# Altium PCB LimeSDR-Micro_mPCIe_1v3.PcbDoc (part 5 of 9) (continued)
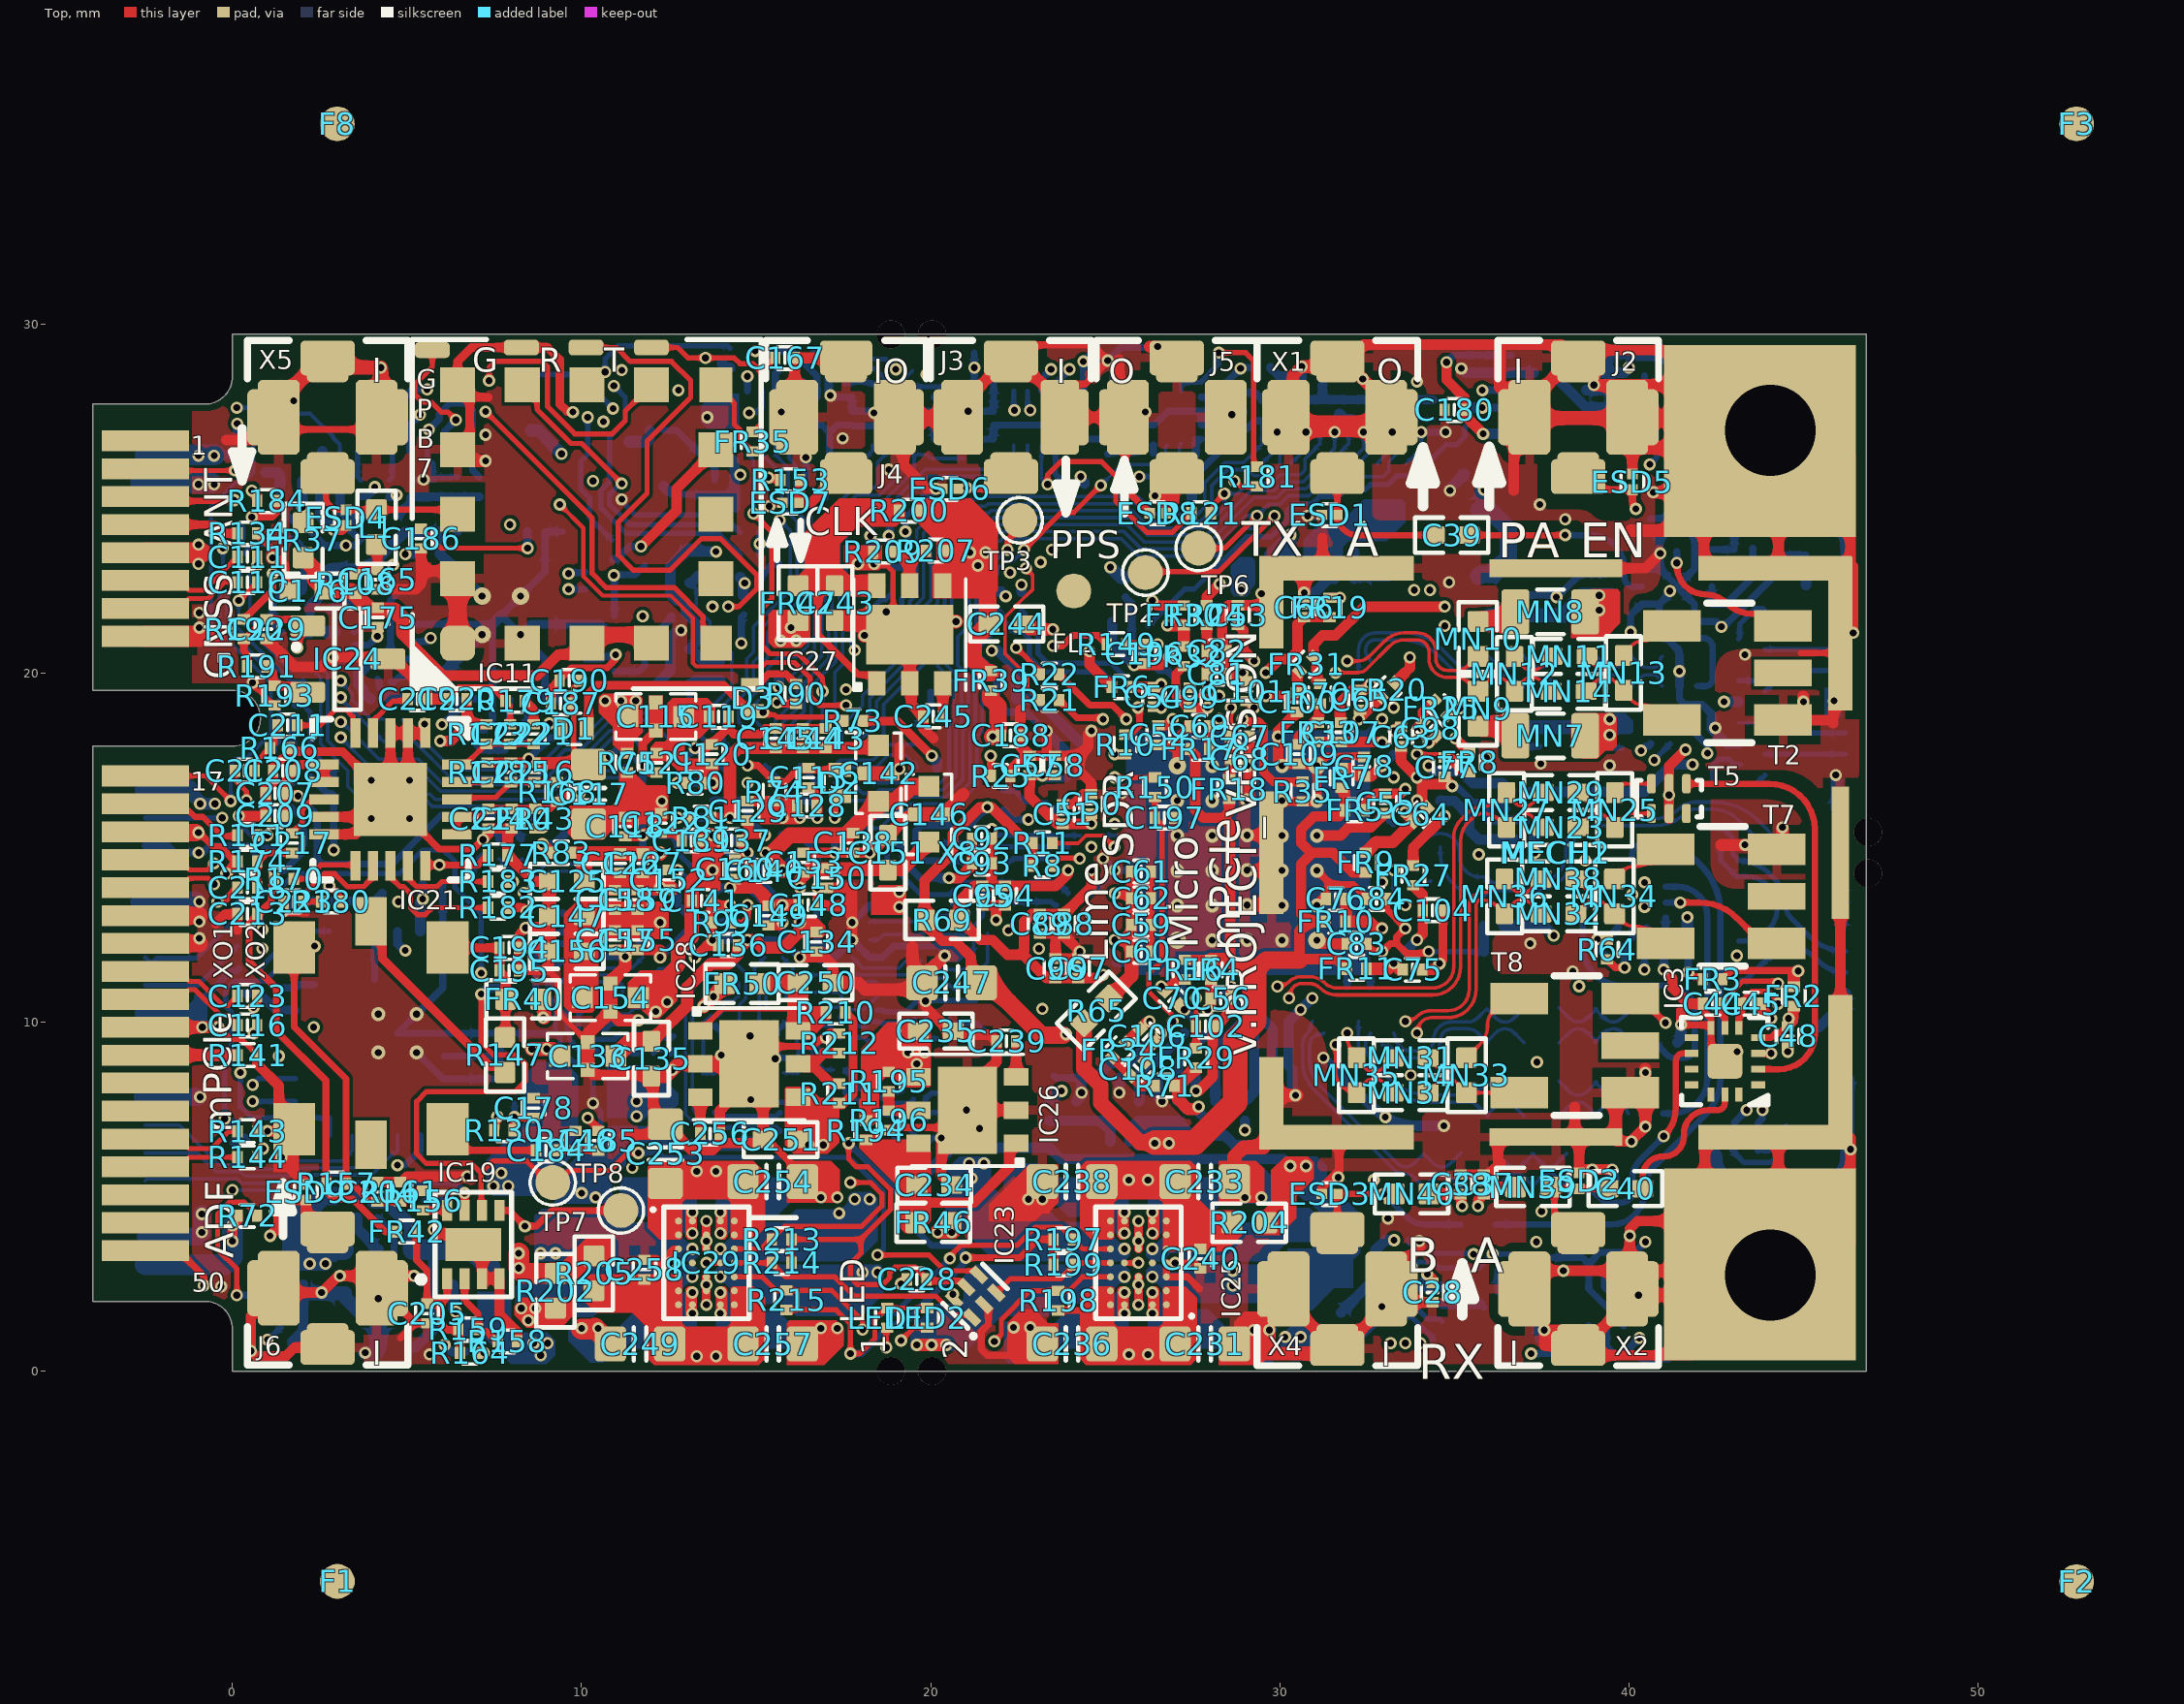
[diagram p0: Top view]
## Nets (pads, with @x,y where several pads share a name; then routed paths per layer and width w, separated by ;. In a path a pad name is that pad's centre, name@x,y a point inside that pad or via, vN(x,y) a via of type N, cw(c..) or ccw(c..) an arc to the next point about the centre after c; other vN are vias at no path point) (continued)
LA_RX1_Q_P: IC6.B12 R58.1 | length 4
  Bottom w0.1: IC6.B12@16.751,11.85 17.051,11.55 ; 17.051,11.549 17.55,11.05 18.075,11.05 18.175,11.15 18.425,11.15 18.5,11.075 18.5,10.76 18.09,10.35 17.55,10.35 17.41,10.21 R58.1@17.41,10
LA_SPI_ADF_SS: IC12.12 R183.2 | length 32.3
  Top w0.2: R183.2@7.875,14.03 R183.2@7.88,14.025
  L6 w0.1: v1@8.03,14.025 8.658,14.025 9.425,14.792 9.425,15.783 9,16.208 9,16.942 9.475,17.417 9.475,18.175 10.175,18.875 10.175,19.25 10.45,19.525 11.2,19.525 11.675,20 11.675,20.675 11.025,21.325 11.025,22.008 11.525,22.508 11.525,23.008 11.175,23.358 11.175,23.9 10.3,24.775 10.025,24.775 9.6,25.2 9.6,25.941 9.755,26.095 9.755,26.47 9.175,27.05 9.175,27.7 10.475,29 13,29 14.025,27.975 15.042,27.975 15.442,28.375 15.825,28.375 16.25,28.8 17.817,28.8 18.667,27.95 20.15,27.95 v2@20.525,28.325
  Bottom w0.15: IC12.12@19.55,28.2 20.45,28.2 v2(20.525,28.275)
  other v1: 8.03,14.025
LA_SPI_ADF_SS_LS: IC6.P11 IC12.1 R110.2 | length 11.9
  Bottom w0.1: IC6.P11@16.251,17.85 15.951,18.15 15.951,18.474 16.375,18.898 16.375,19.709 17.075,20.409 17.075,21.576 17.175,21.676 17.175,24.117 17.958,24.9 18.633,24.9 19.525,25.792 19.525,26.25 19.9,26.25 20.005,26.145 R110.2@20.95,26.145
LA_SPI_LMS_SS: IC12.9 R23.2 | length 20.8
  L6 w0.1: v2(17.55,28.275) 16.825,28.275 16.475,27.925 15.715,27.925 15.4,27.61 15.4,27.4 15.125,27.125 14.35,27.125 13.125,25.9 13.125,21.783 13.533,21.375 14.417,21.375 14.725,21.683 15.317,22.275 21.333,22.275 21.588,22.53 v1(22.6,22.53)
  Bottom w0.15: v2(17.55,28.275) 17.6,28.325 18.3,28.325 18.325,28.3 IC12.9@18.325,28.262
  Bottom w0.3: R23.2@22.6,22.33 v1(22.6,22.53)
LA_SPI_LMS_SS_LS: IC6.P7 IC12.4 R111.2 | length 12.1
  L6 w0.1: v1(15.675,24.375) 15.675,24.365 16.385,25.075 17.247,25.075 17.725,25.553 v2(17.725,26.175)
  Bottom w0.1: IC6.P7@14.251,17.85 14.075,18.026 14.075,19.091 14.725,19.741 14.725,20.4 14.925,20.6 14.925,21.325 15.975,22.375 15.975,24.075 v1(15.675,24.375) ; v2(17.725,26.175) 18.15,26.175 ; R111.2@18.155,25.625 18.155,26.17 18.15,26.175 ; IC12.4@18.325,26.525 18.325,26.35 18.15,26.175
LA_SPI_MISO: IC8.11 R22.2 | length 32.2
  Top w0.15: v1(22.45,20.725) R22.2@23.095,20.08 ; R22.2@23.12,19.957 R22.2@23.12,20.08
  L3 w0.1: v1(22.45,20.725) 22.45,21.675 23.15,22.375 v1(23.15,23.175)
  L6 w0.1: v2(15.7,28.725) 15.975,29 17.9,29 18.75,28.15 19.94,28.15 20.39,28.6 20.71,28.6 20.85,28.46 20.85,28.075 20.45,27.675 19.7,27.675 19.075,27.05 17.333,27.05 17.125,26.842 17.125,26.6 17.325,26.4 17.325,26 17.425,25.9 17.425,25.535 17.165,25.275 16.8,25.275 16.625,25.45 16,25.45 15.45,26 15.2,26 14.95,25.75 14.95,25.5 14.15,24.7 14.15,23.675 15.15,22.675 19.875,22.675 21.1,23.9 22.825,23.9 23.15,23.575 v1(23.15,23.175)
  Bottom w0.2: IC8.11@15.55,28.075 15.55,28.575 v2(15.7,28.725)
LA_SPI_MISO_LS: IC6.R8 IC8.2 | length 9.4
  Bottom w0.1: IC6.R8@14.751,18.35 14.5,18.601 14.5,18.95 15.125,19.575 15.125,20.234 15.325,20.434 15.325,21.16 16.375,22.21 16.375,24.417 15.925,24.867 15.925,25.875 15.55,26.25 IC8.2@15.55,26.525
LA_SPI_MOSI: IC8.12 R21.2 R182.2 | length 54.2
  Top w0.1: v1(22.725,23) 22.925,22.8 22.925,22.395 22.735,22.205 22.73,22.205 22.125,21.6 22.125,20.55 22.775,19.9 22.775,19.57 22.995,19.35 23.02,19.35 23.12,19.25 R21.2@23.12,19.225
  Top w0.25: R182.2@7.88,13.275 8.325,13.275 v1(8.425,13.175)
  L6 w0.1: v1(8.425,13.175) 8.425,13.258 8.875,13.708 8.875,13.959 9.625,14.709 9.625,15.866 9.2,16.291 9.2,16.859 9.675,17.334 9.675,18.092 10.458,18.875 11.75,18.875 11.9,19.025 11.9,20.733 11.225,21.408 11.225,21.85 11.725,22.35 11.725,23.09 11.375,23.44 11.375,23.983 10.383,24.975 10.108,24.975 9.8,25.283 9.8,25.858 9.955,26.012 9.955,26.575 9.425,27.105 9.425,27.667 9.658,27.9 11.325,27.9 11.85,28.425 13.275,28.425 13.925,27.775 15.125,27.775 15.525,28.175 16.175,28.175 v2(16.35,28.35) 16.6,28.6 17.685,28.6 17.875,28.41 17.875,27.9 17.525,27.55 16.392,27.55 15.767,26.925 14.45,26.925 13.325,25.8 13.325,21.865 13.615,21.575 14.335,21.575 14.525,21.765 15.234,22.475 21.25,22.475 21.975,23.2 22.525,23.2 v1(22.725,23)
  Bottom w0.2: IC8.12@15.95,28.075 15.95,28.3 16,28.35 v2(16.35,28.35)
LA_SPI_MOSI_LS: IC6.R9 IC8.1 R118.2 R128.1 | length 9.8
  Bottom w0.1: IC6.R9@15.251,18.35 14.85,18.751 14.85,19 15.325,19.475 15.325,20.13 15.525,20.33 15.525,20.351 15.629,20.455 R128.1@15.65,20.455 16.155,20.455 16.475,20.775 16.475,21.825 16.575,21.925 16.575,24.845 R118.2@16.475,24.945 ; IC8.1@15.95,26.575 15.95,26.133 16.125,25.958 16.125,25.325 16.475,24.975 R118.2@16.475,24.945 ; R118.2@16.42,25.025 16.42,25 R118.2@16.475,24.945
LA_SPI_SCLK: IC8.10 R20.2 R180.2 | length 46.7
  Top w0.15: v1(2.775,13.9) 3.058,13.617 3.058,13.492 R180.2@3.1,13.45
  L4 w0.1: v1(2.775,13.9) 4.575,15.7 4.575,17.709 4.1,18.184 4.1,18.608 3.9,18.808 3.9,20.217 2.025,22.092 2.025,23.658 1.275,24.408 1.275,25.184 2.541,26.45 8.725,26.45 9.225,25.95 10.117,25.95 10.392,26.225 11.751,26.225 12.476,26.95 14.3,26.95 v1(14.8,27.45)
  L6 w0.1: v1(14.8,27.45) 14.225,27.45 12.925,26.15 12.925,21.7 13.45,21.175 14.5,21.175 14.925,21.6 15.4,22.075 21.416,22.075 21.541,22.2 v1(22.15,22.2)
  Bottom w0.2: v1(14.8,27.45) 14.829,27.479 15.029,27.479 15.15,27.6 IC8.10@15.15,28.075
  Bottom w0.3: R20.2@21.95,22.33 22.02,22.33 v1(22.15,22.2)
LA_SPI_SCLK_LS: IC6.P8 IC8.3 | length 10.1
  Bottom w0.1: IC6.P8@14.751,17.85 14.275,18.326 14.275,19.008 14.925,19.658 14.925,20.317 15.125,20.517 15.125,21.242 16.175,22.292 16.175,24.335 15.725,24.785 15.725,25.7 15.15,26.275 IC8.3@15.15,26.525
LA_TCK: IC6.N10 J1.5 R89.2 | length 34.8
  L6 w0.1: v2(11.375,26.625) 10.85,26.625 10,25.775 10,25.365 10.19,25.175 10.49,25.175 11.015,24.65 11.675,24.65 12.025,24.3 12.025,22.367 11.425,21.767 11.425,21.49 12.1,20.815 12.1,18.942 11.833,18.675 10.541,18.675 9.875,18.009 9.875,17.251 9.4,16.776 9.4,16.374 9.825,15.949 9.825,14.626 9.075,13.876 9.075,13.625 8.75,13.3 8.75,12.392 9.042,12.1 9.509,12.1 10.075,12.666 10.075,13.462 10.825,14.212 10.825,15.732 11.375,16.282 11.375,17.434 11.616,17.675 12.259,17.675 12.959,18.375 13.675,18.375 14.175,17.875 15.226,17.875 v2(15.751,17.35)
  Bottom w0.2: J1.5@12.35,26.95 12.725,26.95 13.82,25.855 R89.2@13.82,25.525
  Bottom w0.3: J1.5@11.85,26.625 11.953,26.728 J1.5@11.953,26.95
  Bottom w0.35: v2(11.375,26.625) J1.5@11.85,26.625
LA_TDI: IC6.M10 J1.2 | length 33.1
  L6 w0.1: v1(9.425,26.275) 9.05,25.9 9.05,24.683 9.233,24.5 10.292,24.5 10.975,23.817 10.975,23.275 11.25,23 11.25,22.665 10.825,22.24 10.825,21.242 11.475,20.592 11.475,20.083 11.117,19.725 10.367,19.725 9.975,19.333 9.975,18.958 9.275,18.258 9.275,17.5 8.8,17.025 8.8,16.125 9.225,15.7 9.225,14.875 8.7,14.35 7.895,14.35 7.705,14.16 7.705,12.46 8.424,11.741 8.741,11.741 8.9,11.9 9.592,11.9 10.275,12.583 10.275,13.379 11.025,14.129 11.025,15.649 11.575,16.199 11.575,16.708 13.042,18.175 13.575,18.175 14.075,17.675 14.926,17.675 v2(15.251,17.35)
  Bottom w0.15: v2(15.251,17.35) IC6.M10@15.751,16.85
  Bottom w0.35: J1.2@8.55,26.95 8.75,26.95 v1(9.425,26.275)
LA_TDO: IC6.N12 J1.1 | length 38.8
  L6 w0.1: v1(10.9,27.575) 12.525,25.95 12.525,21.683 12.3,21.458 12.3,18.859 11.916,18.475 10.624,18.475 10.075,17.926 10.075,17.169 9.6,16.694 9.6,16.456 10.025,16.031 10.025,14.544 9.275,13.794 9.275,13.542 8.95,13.217 8.95,12.475 9.125,12.3 9.426,12.3 9.875,12.749 9.875,13.545 10.625,14.295 10.625,15.815 11.175,16.365 11.175,17.517 11.533,17.875 11.85,17.875 12.164,17.875 12.864,18.575 13.775,18.575 14.25,18.1 15.986,18.1 17.25,19.364 17.25,19.66 17.44,19.85 17.71,19.85 17.975,19.585 17.975,18.574 v2(16.751,17.35)
  Bottom w0.15: J1.1@8.55,28.55 9.925,28.55 v1(10.9,27.575)
LA_TMS: IC6.M12 J1.3 | length 15.6
  Top w0.12: v1(9.375,24.825) 10.05,24.15 10.05,22.768 10.603,22.215 12.553,22.215 13.19,21.578 13.19,20.284 13.284,20.19 15.19,20.19 15.3,20.3
  Top w0.15: 15.3,20.3 16.102,20.3 16.551,19.852 16.551,19.33 16.806,19.075 v1(17.575,19.075) ; v1@17.502,19.025 17.513,19.037 v1@17.525,19.025
  L6 w0.1: v2(16.251,17.35) 17.575,18.674 v1(17.575,19.075)
  Bottom w0.15: v2(16.251,17.35) IC6.M12@16.751,16.85
LA_TRST: C113.1 D2.C IC6.N8 R74.2 | length 3
  Top w0.2: v1(14.751,17.35) 15.055,17.35 15.45,16.955 15.45,16.93 15.5,16.88 R74.2@15.525,16.88 15.83,16.88 16.175,17.225 D2.C@17.401,17.225
LA_TX_I_N: C2.1 C3.1 IC6.B7 R4.1 R5.2 | length 4
  Bottom w0.1: C2.1@14.165,8.55 14.19,8.525 R5.2@14.525,8.525 ; IC6.B7@14.251,11.85 14.7,11.401 14.7,10.675 14.515,10.49 R4.1@14.515,9.9 14.5,9.885 14.5,8.55 R5.2@14.525,8.525 ; R5.2@14.54,8.525 R5.2@14.525,8.525
LA_TX_I_P: C1.2 C2.2 IC6.A7 R1.2 R2.1 | length 4
  Bottom w0.1: C2.2@13.835,8.55 13.81,8.525 R1.2@13.46,8.525 13.485,8.55 R2.1@13.485,9.9 13.51,9.925 13.51,9.99 13.698,10.177 13.919,10.177 14.065,10.322 14.065,10.54 14.138,10.613 14.355,10.613 14.5,10.758 14.5,11.101 IC6.A7@14.251,11.35
LA_TX_Q_N: C5.1 C6.1 IC6.B9 R18.1 R19.2 | length 4
  Bottom w0.1: IC6.B9@15.251,11.85 14.951,11.55 14.951,11.199 15.085,11.065 R18.1@15.085,9.975 15.085,9.925 15.11,9.9 15.11,9.835 15.15,9.795 15.15,9.375 15.035,9.26 C6.1@15.035,8.975 15.035,8.55 15.06,8.525 R19.2@15.085,8.525 15.11,8.55 C5.1@15.46,8.55
LA_TX_Q_P: C4.2 C5.2 IC6.A9 R14.2 R16.1 | length 3.9
  Bottom w0.1: IC6.A9@15.251,11.35 15.285,11.316 15.285,10.49 15.4,10.375 15.875,10.375 16.165,10.085 R16.1@16.165,9.975 16.165,9.385 16.215,9.335 C4.2@16.215,8.975 16.215,8.55 16.19,8.525 R14.2@16.165,8.525 16.14,8.55 C5.2@15.79,8.55
LED_WLAN#: IC15.19 X8.44 | length 7.6
  Bottom w0.1: X8.44@-2.5,6.25 -1.008,6.25 -0.469,5.711 0.217,5.711 0.342,5.586 1.746,5.586 1.984,5.825 3.55,5.825 3.95,6.225 3.961,6.225 4.075,6.339 IC15.19@4.075,6.75
LED_WPAN#: IC15.18 X8.46 | length 8.1
  Bottom w0.1: X8.46@-2.5,5.45 -2.438,5.511 0.135,5.511 0.26,5.386 1.828,5.386 2.067,5.625 3.99,5.625 4.59,6.225 4.65,6.225 4.725,6.3 IC15.18@4.725,6.75
LED_WWAN#: IC15.20 X8.42 | length 7.1
  Bottom w0.1: X8.42@-2.5,7.05 -1.525,7.05 -0.386,5.911 0.3,5.911 0.425,5.786 1.663,5.786 1.901,6.025 3.15,6.025 3.325,6.2 3.325,6.211 3.425,6.311 IC15.20@3.425,6.75
LMK_CLKOUT1: ESD6.1 IC17.3 J3.1 | length 32
  Top w0.2: ESD6.1@20.775,25.275 21.85,25.275 J3.1@22.3,25.725
  L3 w0.1: v1(5.675,21) 6.05,21.375 6.05,27.425 6.259,27.634 6.476,27.634 6.96,27.15 7.385,27.15 7.75,26.785 7.75,25.25 11.025,21.975 11.025,21.625 12.325,20.325 14.51,20.325 14.76,20.575 16.85,20.575 17.4,20.025 18.425,20.025 19.225,20.825 19.225,23.125 21.025,24.925 v1(21.025,25.3)
  Bottom w0.2: IC17.3@5.3,20.9 5.575,20.9 v1(5.675,21)
LMK_CLKOUT4: IC17.8 IC18.3 R154.1 | length 21
  L4 w0.1: v1(4.95,23.4) 5.125,23.225 12,23.225 13.1,24.325 14.014,24.325 15.075,23.264 15.075,20.655 15.458,20.273 16.292,20.273 18.825,22.805 18.825,23.375 v1(18.275,23.925)
  Bottom w0.25: v1(4.95,23.4) IC17.8@5.3,23.4 ; IC18.3@18.187,23.525 18.27,23.525 R154.1@18.27,24.1
LMS_BB_DRV1A_N: C8.1 R27.2 | length 0.3
  Bottom w0.15: R27.2@11.405,9.65 C8.1@11.725,9.65
LMS_BB_DRV1A_P: C12.1 R33.2 | length 0.3
  Bottom w0.15: R33.2@11.405,9.1 C12.1@11.725,9.1
LMS_BB_DRV1AC_N: C9.1 C10.1 R27.1 R28.2 R29.1 | length 2.1
  Bottom w0.15: R28.2@10.125,10.42 9.915,10.21 C10.1@9.915,10 9.915,9.68 10.085,9.51 R29.1@10.25,9.51 10.935,9.51 11.043,9.618 11.075,9.618 R27.1@11.075,9.65
LMS_BB_DRV1AC_P: C10.2 C11.2 R32.2 R33.1 R34.2 | length 2.6
  Bottom w0.15: R34.2@9.585,10.42 C10.2@9.585,10 9.585,9.74 9.665,9.66 9.665,9.482 9.71,9.437 C11.2@9.71,9.405 9.71,9.372 9.742,9.372 9.925,9.19 R32.2@10.075,9.19 10.485,9.19 10.575,9.1 R33.1@11.075,9.1
LMS_BB_DRV1B_N: C13.1 R36.2 | length 0.3
  Bottom w0.15: R36.2@16.015,6.865 C13.1@16.335,6.865
LMS_BB_DRV1B_P: C17.1 R41.2 | length 0.3
  Bottom w0.15: R41.2@16.015,7.415 C17.1@16.335,7.415
LMS_BB_DRV1BC_N: C14.1 C15.1 R36.1 R37.2 R38.1 | length 2
  Bottom w0.15: R37.2@13.79,6.865 13.9,6.975 14.55,6.975 C14.1@14.725,6.975 R38.1@15.25,6.975 15.575,6.975 15.652,6.897 15.685,6.897 R36.1@15.685,6.865
LMS_BB_DRV1BC_P: C15.2 C16.2 R40.2 R41.1 R42.2 | length 2
  Bottom w0.15: R42.2@13.79,7.415 13.9,7.305 C15.2@14.15,7.305 C16.2@14.725,7.305 R40.2@15.275,7.305 15.575,7.305 15.652,7.382 15.685,7.382 R41.1@15.685,7.415
LMS_BB_DRV2A_N: C18.1 R43.2 | length 0.4
  Bottom w0.15: R43.2@19.84,7.785 20.015,7.96 C18.1@20.16,7.96
LMS_BB_DRV2A_P: C22.1 R48.2 | length 0.4
  Bottom w0.15: R48.2@19.84,7.235 20.015,7.41 C22.1@20.16,7.41
LMS_BB_DRV2AC_N: C19.1 C20.1 R43.1 R44.2 R45.1 | length 2.6
  Bottom w0.15: R44.2@17.54,8.635 17.54,8.603 17.572,8.603 17.905,8.27 17.905,8.09 C20.1@17.925,8.09 18.035,8.09 18.275,7.85 R45.1@18.375,7.85 18.575,7.85 18.75,7.675 C19.1@18.95,7.675 19.4,7.675 19.477,7.752 19.51,7.752 R43.1@19.51,7.785
LMS_BB_DRV2AC_P: C20.2 C21.2 R47.2 R48.1 R49.2 | length 2.4
  Bottom w0.15: R49.2@17.54,8.085 17.54,7.989 17.769,7.76 C20.2@17.925,7.76 18.165,7.52 R47.2@18.375,7.52 18.53,7.52 18.705,7.345 C21.2@18.95,7.345 19.4,7.345 19.477,7.267 19.51,7.267 R48.1@19.51,7.235
LMS_BB_DRV2B_N: C23.1 R50.2 | length 0.3
  Bottom w0.15: R50.2@19.865,9.525 C23.1@20.185,9.525
LMS_BB_DRV2B_P: C27.1 R57.2 | length 0.3
  Bottom w0.15: R57.2@19.865,10.075 C27.1@20.185,10.075
LMS_BB_DRV2BC_N: C24.1 C25.1 R50.1 R51.2 R52.1 | length 2
  Bottom w0.15: R51.2@17.74,9.45 17.85,9.56 C25.1@18.1,9.56 18.22,9.44 R52.1@18.475,9.44 18.507,9.44 18.703,9.635 C24.1@18.988,9.635 19.425,9.635 19.503,9.557 19.535,9.557 R50.1@19.535,9.525
LMS_BB_DRV2BC_P: C25.2 C26.2 R56.2 R57.1 R58.2 | length 2
  Bottom w0.15: R58.2@17.74,10 17.85,9.89 C25.2@18.1,9.89 18.133,9.89 18.133,9.922 18.22,10.01 R56.2@18.475,10.01 18.507,10.01 18.553,9.965 C26.2@18.988,9.965 19.425,9.965 19.503,10.042 19.535,10.042 R57.1@19.535,10.075
LMS_CORE_LDO_EN: IC1.U33 R13.1 R15.2 | length 3.9
  Bottom w0.15: R15.2@20.075,15.125 20.945,15.125 R13.1@20.95,15.12 21.058,15.012 23.443,15.012 23.46,15.029 23.921,15.029 IC1.U33@23.938,15.012
LMS_I2C_SCL: IC1.C27 IC2.6 R26.2 R54.1 | length 38.7
  L4 w0.1: v1(22.225,12.625) 22.625,12.225 22.625,9.55 23.5,8.675 24.167,8.675 24.775,8.067 24.775,7.792 25.167,7.4 26.175,7.4 26.4,7.175 26.662,7.175 27.2,6.637 27.2,5.617 27.625,5.192 27.625,1.917 28.067,1.475 29.108,1.475 30.608,2.975 33.9,2.975 34.075,3.15 34.725,3.15 34.9,2.975 35.717,2.975 v1(36.1,3.358)
  L6 w0.1: v1(22.225,12.625) 22.225,14.641 24.2,16.616 24.2,18.492 25.382,19.674 v2(25.936,19.674)
  Bottom w0.15: R54.1@33.844,1.864 33.5,2.208 33.5,2.652 33.973,3.125 34.395,3.125 34.57,2.95 35.7,2.95 36,3.25 36,3.358 36.008,3.35 37.12,3.35 37.195,3.275 R26.2@37.195,3.25 ; R54.1@33.85,1.87 34.226,1.494 34.581,1.494 IC2.6@34.65,1.425
LMS_I2C_SDA: IC1.D26 IC2.5 R30.2 R53.1 | length 49.9
  L4 w0.1: v1(23.1,12.1) 22.825,11.825 22.825,9.633 23.583,8.875 24.25,8.875 24.975,8.15 24.975,7.875 25.25,7.6 26.258,7.6 26.483,7.375 26.745,7.375 27.4,6.72 27.4,5.7 27.825,5.275 27.825,2 28.15,1.675 29.025,1.675 30.525,3.175 33.8,3.175 33.975,3.35 v1(35.55,3.35)
  L6 w0.1: v1(23.1,12.1) 25.021,14.021 25.405,14.021 25.65,14.266 25.65,15.241 26.269,15.86 v2(26.269,19.341) 26.269,20.356 26,20.625 26,21.125 v2(26.225,21.35)
  Bottom w0.15: v2(26.225,21.35) 26.6,21.725 27.275,22.4 27.543,22.4 29.043,23.9 29.745,23.9 30.225,24.38 30.225,24.675 30.4,24.85 30.93,24.85 31.13,25.05 31.668,25.05 31.868,25.25 32.45,25.25 32.6,25.4 33.1,25.4 33.35,25.65 33.875,25.65 34.77,26.545 35.07,26.545 35.305,26.78 R30.2@35.305,27.04 ; R53.1@33.305,3.075 R53.1@33.305,3.069 ; IC2.5@34.4,0.925 33.78,1.545 33.603,1.545 33.5,1.648 33.5,1.854 33.15,2.204 33.15,2.908 33.305,3.063 R53.1@33.305,3.069 ; v1@35.525,3.375 33.611,3.375 R53.1@33.305,3.069
LMS_MCLK1: IC1.AB34 R7.1 R84.1 | length 1.4
  Bottom w0.15: R84.1@22.225,13.445 22.875,13.445 23.453,13.445 23.551,13.347 IC1.AB34@23.605,13.347
LMS_RESET: IC1.E27 IC15.17 R10.1 | length 31.8
  Top w0.2: R10.1@25.575,18.23 25.625,18.28 25.755,18.28 25.978,18.503 25.978,18.86 25.965,18.873 25.965,18.979 v1(25.936,19.008)
  L6 w0.1: v1(4.725,5.9) 4.975,6.15 10.275,6.15 11.075,6.95 11.7,6.95 12.275,7.525 12.75,7.525 13.3,8.075 13.3,8.3 13.508,8.508 14.633,8.508 15.425,9.3 16.29,9.3 16.865,9.875 17.135,9.875 17.55,9.875 18.525,10.85 18.539,10.85 18.549,10.86 19.085,10.86 19.125,10.9 19.55,11.325 19.7,11.475 20.45,11.475 20.625,11.65 22.285,11.65 22.775,12.14 22.775,12.35 23.575,13.15 23.575,14.5 24.428,15.353 25.478,15.353 25.936,15.811 v1(25.936,19.008)
  Bottom w0.2: v1(4.725,5.9) 4.95,5.9 5.375,6.325 IC15.17@5.375,6.75
LMS_RX1_BB_I_N: C8.2 IC1.AB2 R31.1 | length 43.8
  L4 w0.1: v1(34.3,22.375) 34.3,21.233 34.675,20.858 34.675,18.935 35.35,18.26 35.35,17.689 34.55,16.889 34.55,16.216 34.4,16.066 34.4,15.734 35.334,14.8 v1(35.7,14.8)
  L6 w0.1: v2(12.65,9.6) 14.05,9.6 14.9,10.45 16.317,10.45 16.592,10.725 17.208,10.725 18.733,12.25 19.333,12.25 19.99,12.907 19.99,16.082 21.075,17.167 21.075,18.383 22.092,19.4 23.2,19.4 24.025,20.225 24.025,20.825 24.025,20.842 24.475,21.292 24.475,21.8 25.07,22.395 ; 25.07,22.396 25.874,23.2 27.064,23.2 28.314,21.95 30.81,21.95 31.05,22.19 31.05,22.425 31.325,22.7 34,22.7 v1@34.3,22.4 ; v2(34.262,13.347) 34.864,13.95 35.3,13.95 35.7,14.35 v1(35.7,14.8)
  Bottom w0.15: C8.2@12.055,9.65 12.055,9.618 12.088,9.618 12.165,9.54 R31.1@12.44,9.54 12.59,9.54 v2(12.65,9.6) v2@12.63,9.6
LMS_RX1_BB_I_P: C12.2 IC1.Y6 R31.2 | length 43.7
  L4 w0.1: v1(32.93,14.013) 32.938,14.021 33.596,14.021 33.775,14.2 33.775,14.45 33.275,14.95 33.275,15.224 34.325,16.274 34.325,16.947 34.65,17.272 34.65,18.649 34.475,18.824 34.475,20.775 33.5,21.75 33.5,22.025 v1(33.85,22.375)
  L6 w0.1: v2(12.65,9.125) 13.508,9.125 13.783,9.4 14.133,9.4 14.983,10.25 16.4,10.25 16.675,10.525 17.291,10.525 18.816,12.05 19.416,12.05 20.19,12.824 20.19,15.999 21.275,17.084 21.275,18.3 22.175,19.2 23.283,19.2 24.225,20.142 24.225,20.742 24.225,20.76 24.675,21.21 24.675,21.717 25.27,22.312 ; 25.27,22.313 25.957,23 26.981,23 28.231,21.75 31.075,21.75 31.25,21.925 31.25,22.342 31.408,22.5 31.987,22.5 32.187,22.3 32.187,21.863 32.3,21.75 32.8,21.75 32.946,21.896 32.946,22.3 33.146,22.5 33.725,22.5 v1(33.85,22.375)
  Bottom w0.15: C12.2@12.055,9.1 12.055,9.133 12.088,9.133 12.165,9.21 R31.2@12.44,9.21 12.565,9.21 v2(12.65,9.125) 12.596,9.125 v2@12.556,9.085
LMS_RX1_BB_Q_N: C13.2 IC1.AA5 R39.1 | length 43.5
  L6 w0.1: v2(17.275,6.875) 17.125,7.025 15.6,7.025 15.37,6.795 15.119,6.795 14.974,6.65 14.761,6.65 14.616,6.795 14.365,6.795 13.61,7.55 13.35,7.55 12.8,7 12.375,7 12.155,6.78 12.155,6.286 12.358,6.082 12.818,6.082 13.37,6.635 13.83,6.635 14.785,5.68 15.011,5.68 15.156,5.825 15.319,5.825 15.464,5.68 15.69,5.68 16.018,6.007 17.218,6.007 17.36,6.15 17.984,6.15 18.259,6.425 19.4,6.425 19.545,6.57 19.545,7.415 19.44,7.52 18.93,7.52 18.65,7.8 17.95,7.8 17.595,8.155 17.595,8.485 18.965,9.855 20.197,9.855 20.731,10.389 20.939,10.389 21.119,10.569 22.618,10.569 22.969,10.92 24.33,10.92 24.75,10.5 25.017,10.5 25.275,10.758 25.275,11.833 25.872,12.43 26.115,12.43 26.64,12.955 27.315,12.955 27.445,13.085 27.445,13.462 27.2,13.707 27.2,13.973 27.452,14.225 27.677,14.225 27.922,13.98 28.235,13.98 28.68,13.535 28.68,13.163 28.913,12.93 29.172,12.93 29.495,13.253 29.495,13.61 29.84,13.955 30.36,13.955 30.68,13.635 30.68,13.155 30.89,12.945 31.18,12.945 31.47,13.235 31.47,13.56 31.618,13.707 31.855,13.945 31.855,14.23 32.525,14.9 32.975,14.9 33.263,14.612 v1(33.263,14.346)
  Bottom w0.11: IC1.AA5@33.263,13.68 v1(33.263,14.346)
  Bottom w0.15: C13.2@16.665,6.865 16.665,6.897 16.697,6.897 16.775,6.975 R39.1@17.025,6.975 17.175,6.975 v2(17.275,6.875)
LMS_RX1_BB_Q_P: C17.2 IC1.AB4 R39.2 | length 43.4
  L6 w0.1: v2(17.275,7.405) 17.266,7.405 17.091,7.23 15.515,7.23 15.285,7 14.45,7 13.695,7.755 13.265,7.755 12.715,7.205 12.29,7.205 11.95,6.865 11.95,6.385 11.95,6.208 12.275,5.882 12.907,5.882 13.455,6.43 13.745,6.43 14.7,5.475 15.775,5.475 16.102,5.802 17.302,5.802 17.445,5.945 18.062,5.945 18.342,6.225 19.49,6.225 19.75,6.485 19.75,7.5 19.525,7.725 19.008,7.725 18.733,8 18.04,8 17.8,8.24 17.8,8.4 19.05,9.65 20.292,9.65 20.826,10.184 21.034,10.184 21.214,10.364 22.695,10.364 23.047,10.715 24.235,10.715 24.65,10.3 25.1,10.3 25.475,10.675 25.475,11.75 25.95,12.225 26.2,12.225 26.725,12.75 27.4,12.75 27.65,13 27.65,13.5 27.85,13.7 28.225,13.7 28.475,13.45 28.475,13.085 28.835,12.725 29.25,12.725 29.7,13.175 29.7,13.525 29.925,13.75 30.275,13.75 30.475,13.55 30.475,13.07 30.805,12.74 31.265,12.74 31.675,13.15 31.675,13.475 31.888,13.688 33.088,13.688 33.625,14.225 33.875,14.225 34.075,14.025 34.075,13.827 v1(33.596,13.347)
  Bottom w0.15: C17.2@16.665,7.415 16.665,7.382 16.697,7.382 16.775,7.305 R39.2@17.025,7.305 17.175,7.305 v2(17.275,7.405)
LMS_RX2_BB_I_N: C18.2 IC1.AC3 R46.1 | length 25.4
  L6 w0.1: v2(21.5,8.275) 21.35,8.125 20.767,8.125 20.5,7.858 20.5,7.1 21.175,6.425 21.625,6.425 23.55,8.35 27.742,8.35 28.2,7.892 28.2,6.675 28.65,6.225 29.85,6.225 32.85,9.225 32.85,10.242 33.708,11.1 34.75,11.1 35.1,11.45 35.1,12.3 34.587,12.813 34.587,12.816 34.396,13.006 34.394,13.006 34.386,13.014 v2(33.929,13.014)
  Bottom w0.15: C18.2@20.49,7.96 20.49,7.992 20.672,8.175 R46.1@21,8.175 21.4,8.175 v2(21.5,8.275)
LMS_RX2_BB_I_P: C22.2 IC1.AD2 R46.2 | length 25.4
  L6 w0.1: v2(21.5,7.745) 21.32,7.925 20.85,7.925 20.7,7.775 20.7,7.183 21.258,6.625 21.542,6.625 22.8,7.883 22.8,8.375 22.975,8.55 28.375,8.55 28.525,8.4 28.525,7.925 28.4,7.8 28.4,7.475 28.525,7.35 28.525,7.125 28.4,7 28.4,6.758 28.733,6.425 29.767,6.425 30.117,6.775 32.65,9.308 32.65,10.325 33.588,11.263 33.588,11.738 33.7,11.85 33.925,11.85 34.475,11.3 34.667,11.3 34.9,11.533 34.9,12.217 34.702,12.415 34.527,12.415 v2(34.262,12.681)
  Bottom w0.15: C22.2@20.49,7.41 20.49,7.442 20.498,7.442 20.9,7.845 R46.2@21,7.845 21.4,7.845 v2(21.5,7.745)
LMS_RX2_BB_Q_N: C23.2 IC1.AB6 R55.1 | length 25.1
  L6 w0.1: v2(21.175,9.61) 21.49,9.925 22.625,9.925 22.8,9.75 23.233,9.75 23.933,10.45 24.133,10.45 24.583,10 25.442,10 25.725,10.283 25.725,11.083 26.037,11.395 26.037,11.695 26.292,11.95 26.658,11.95 27.008,11.6 27.267,11.6 27.475,11.808 27.475,12.533 27.867,12.925 28.308,12.925 28.675,12.558 28.675,11.925 28.675,11.867 28.275,11.467 28.275,10.85 28.463,10.662 28.707,10.662 28.975,10.931 28.975,11.458 29.415,11.897 29.415,12.465 29.515,12.565 29.515,12.568 29.837,12.89 30.372,12.89 30.665,12.598 30.665,12.174 30.939,11.9 31.358,11.9 31.625,11.633 31.625,10.725 31.8,10.55 32.275,10.55 32.55,10.825 32.55,11.6 31.675,12.475 31.675,12.833 32.189,13.347 v2(32.93,13.347)
  Bottom w0.15: C23.2@20.515,9.525 20.625,9.635 R55.1@20.9,9.635 v2@21.175,9.635
LMS_RX2_BB_Q_P: C27.2 IC1.AC5 R55.2 | length 25.3
  L6 w0.1: v2(21.675,9.6) 21.95,9.6 22.075,9.725 22.542,9.725 22.717,9.55 23.315,9.55 23.89,10.125 24.175,10.125 24.5,9.8 25.525,9.8 25.925,10.2 25.925,11 26.237,11.312 26.237,11.612 26.375,11.75 26.575,11.75 26.925,11.4 27.35,11.4 27.675,11.725 27.675,12.45 27.95,12.725 28.225,12.725 28.475,12.475 28.475,11.95 28.075,11.55 28.075,10.767 28.38,10.462 28.789,10.462 29.175,10.848 29.175,11.375 29.625,11.825 29.625,12.392 29.715,12.482 29.715,12.485 29.92,12.69 30.209,12.69 30.465,12.435 30.465,12.091 30.856,11.7 31.275,11.7 31.425,11.55 31.425,10.642 31.717,10.35 32.358,10.35 32.75,10.742 32.75,11.683 31.875,12.558 31.875,12.75 32.139,13.014 v2(33.263,13.014)
  Bottom w0.15: C27.2@20.515,10.075 20.625,9.965 R55.2@20.9,9.965 21.315,9.965 21.675,9.605 v2(21.675,9.6)
LMS_RXEN: IC1.V34 R12.1 | length 1.5
  Bottom w0.15: R12.1@22.205,14.525 22.205,14.55 22.28,14.625 22.314,14.625 22.368,14.679 IC1.V34@23.605,14.679
LMS_RxPLL_CLK: C197.2 IC1.AM24 R150.2 | length 7
  Top w0.15: R150.2@26.425,16.445 26.42,16.44 C197.2@26.42,15.85 26.632,15.638 26.632,11.768 26.252,11.388 26.252,10.865 26.897,10.22 26.897,10.055 v1(26.935,10.017)
LMS_TX1_BB_I_N: IC1.R5 R5.1 | length 27.3
  L6 w0.1: v2(14.353,8.183) 14.353,7.76 14.663,7.45 15.017,7.45 15.367,7.8 15.519,7.8 15.524,7.805 16.342,7.805 18.797,10.26 20.029,10.26 20.563,10.794 20.736,10.794 20.917,10.975 22.458,10.975 22.808,11.325 24.117,11.325 24.675,11.883 24.675,12.5 25.13,12.955 25.797,12.955 26.4,13.558 26.4,14.75 26.625,14.975 28.55,14.975 28.7,14.825 28.7,14.158 28.908,13.95 29.217,13.95 29.475,14.208 29.475,14.775 29.65,14.95 30.475,14.95 30.615,14.81 30.615,14.293 30.933,13.975 31.217,13.975 31.45,14.208 31.45,14.95 32.503,16.003 v2(32.938,16.003)
  Bottom w0.2: v2(32.938,16.003) IC1.R5@33.263,15.678
LMS_TX1_BB_I_P: IC1.T4 R1.1 | length 27.3
  L6 w0.1: v2(13.648,8.183) 14.58,7.25 15.1,7.25 15.45,7.6 15.602,7.6 15.607,7.605 16.425,7.605 18.88,10.06 20.112,10.06 20.646,10.594 20.819,10.594 21,10.775 22.541,10.775 22.891,11.125 24.2,11.125 24.25,11.175 24.875,11.8 24.875,12.417 25.213,12.755 25.88,12.755 26.6,13.475 26.6,14.371 27.004,14.775 28.142,14.775 28.5,14.417 28.5,14.075 28.825,13.75 29.3,13.75 29.675,14.125 29.675,14.475 29.95,14.75 30.25,14.75 30.415,14.585 30.415,14.21 30.85,13.775 31.3,13.775 31.65,14.125 31.65,14.55 32.778,15.678 33.186,15.678 33.496,15.369 v2@33.572,15.369
  other v2: 33.596,15.345
LMS_TX1_BB_Q_N: IC1.P2 R19.1 | length 27.3
  L6 w0.1: v2(15.272,8.183) 15.28,8.19 15.525,8.19 16.485,9.15 17.122,9.15 18.632,10.66 19.168,10.66 19.325,10.817 19.633,11.125 19.733,11.225 20.542,11.225 20.742,11.425 22.342,11.425 22.642,11.725 23.317,11.725 23.675,12.083 23.675,12.3 24.73,13.355 25.569,13.355 25.85,13.636 25.85,15.158 26.642,15.95 30.18,15.95 30.93,16.7 31.15,16.7 32.118,17.668 33.048,17.668 33.588,18.207 33.588,18.461 33.794,18.667 34.063,18.667 34.587,18.144 34.587,17.208 34.262,16.883 v2(34.262,16.011)
LMS_TX1_BB_Q_P: IC1.R3 R14.1 | length 27.3
  L6 w0.1: v2(15.977,8.183) 16.135,8.025 16.279,8.025 16.534,8.28 16.534,8.739 16.72,8.925 17.179,8.925 18.714,10.46 19.251,10.46 19.525,10.734 ; 19.525,10.735 19.715,10.925 19.816,11.025 20.625,11.025 20.825,11.225 22.425,11.225 22.725,11.525 23.775,11.525 23.875,11.625 23.875,12.217 24.109,12.452 24.329,12.452 24.578,12.701 24.578,12.921 24.813,13.155 25.652,13.155 25.747,13.25 26.05,13.553 26.05,15.075 26.219,15.244 26.444,15.244 26.556,15.356 26.556,15.581 26.725,15.75 27.149,15.75 27.424,15.475 27.7,15.475 27.975,15.75 28.2,15.75 28.475,15.475 28.671,15.475 28.946,15.75 29.159,15.75 29.434,15.475 29.705,15.475 29.98,15.75 30.149,15.75 30.45,15.45 ; 30.45,15.45 30.68,15.45 30.98,15.75 31.25,15.75 31.525,15.475 31.692,15.475 32.159,15.941 32.159,16.166 31.675,16.65 31.675,16.9 32.175,17.4 32.4,17.4 32.575,17.225 32.575,16.975 32.84,16.71 33.09,16.71 33.271,16.529 33.271,15.876 33.461,15.686 33.921,15.686 v2(33.929,15.678)